# Allegro board 8880F5-0823_9.brd (continued)
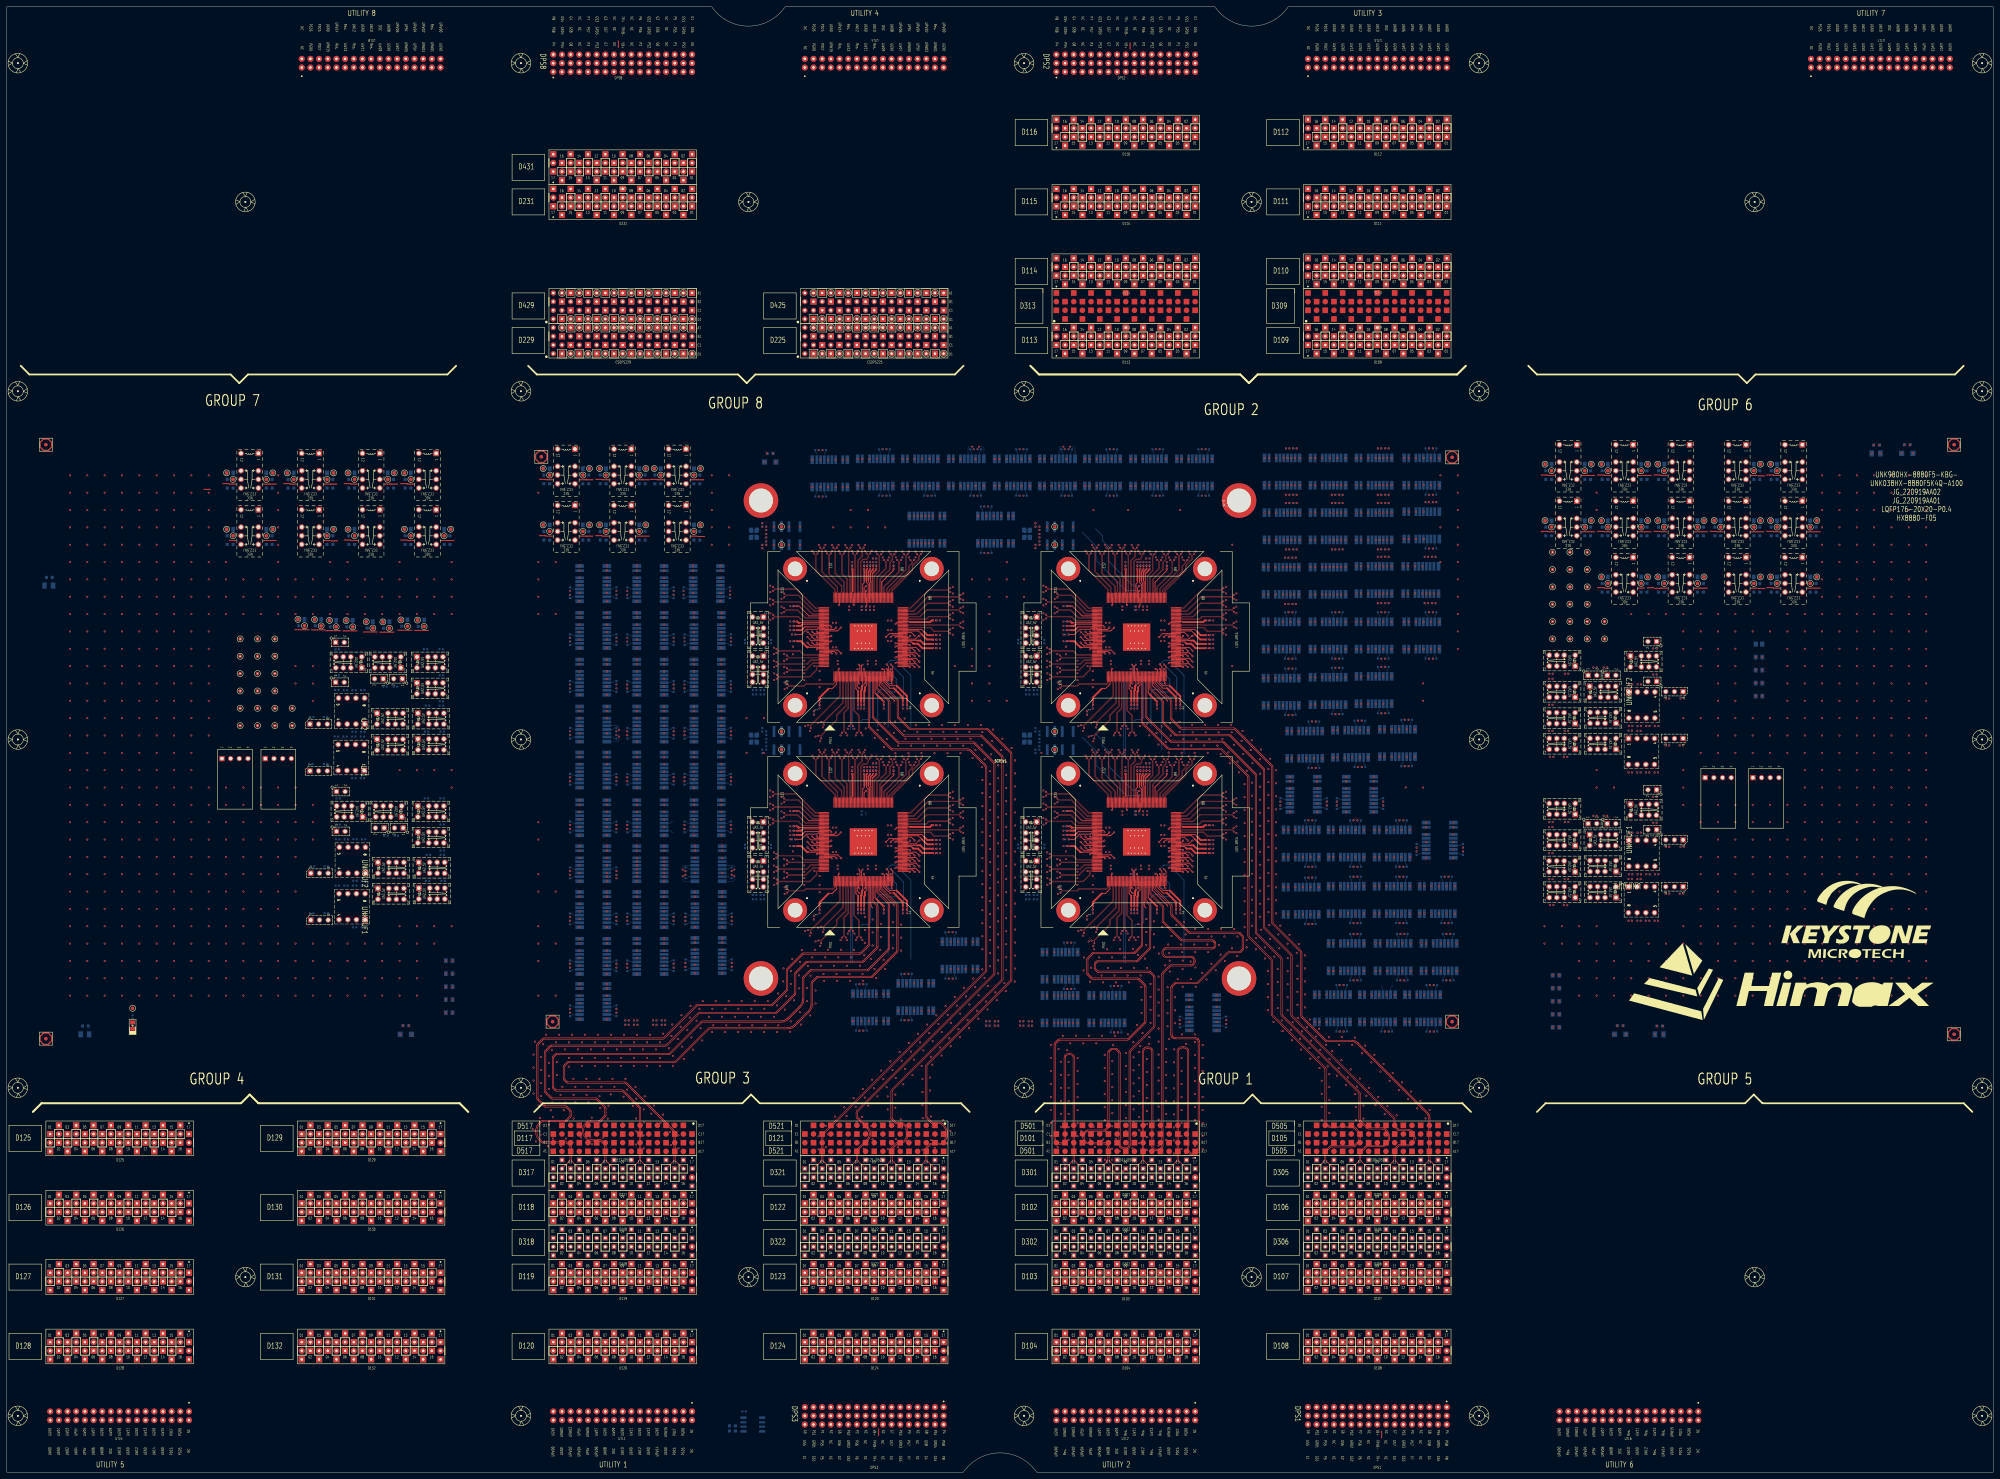
[diagram p0: board, top side]
## Routing (per net, layer and track width the routed paths; a pad name or vN(x,y) marks a point on that pad's centre or on a via; arc(x,y) is an arc through that point) (continued)
D10202: length 833.7
  TOP w0.086: SITE4.142 317.68,189.63 317.6,189.55 313.04,189.55 311.83,190.76 304.76,190.76 v1(304.31,191.21)
  L05_SIGNAL w0.071: D102.02 311.98,80.84 311.98,81.95 311.69,82.24 303.65,82.24 301.8,84.08 301.8,89.53 306.82,94.55 321.96,94.55 324.41,97.01 330.15,97.01 332.23,99.09 336.1,99.09 336.75,98.44 340.23,98.44 342.92,101.12 367.62,101.12 370.61,104.11 392.79,104.11 394.3,102.6 446.3,102.6 457.23,91.67 457.23,77.94 458.59,76.58 485.1,76.58 486.05,77.53 486.05,78.69 485.24,79.5 458.95,79.5 458.33,80.12 458.33,81.5 458.92,82.09 525.41,82.09 526.45,83.13 526.45,84.37 525.34,85.49 460.38,85.49 459.45,86.41 459.45,88.43 460.1,89.08 523.16,89.08 523.89,89.81 523.89,90.83 523.07,91.65 499.54,91.65 498.62,92.56 498.62,93.9 499.5,94.77 520.17,94.77 521.47,96.07 521.47,98.59 514.59,105.47 419.51,105.47 418.77,104.73 409.13,104.73 407.83,106.03 387.07,106.03 379.07,114.04 351.15,114.04 345.88,119.3 333.73,119.3 326.64,126.4 320.25,126.4 312.19,134.45 308.09,134.45 305.48,137.07 305.48,139.52 306.53,140.58 310.77,140.58 311.01,140.81 311.01,141.07 v1(310.53,141.54)
  L32_SIGNAL w0.071: v1(310.53,141.54) 311.01,142.01 311.01,143.05 305.85,148.21 305.85,152.6 302.67,155.78 302.67,190.15 303.26,190.74 303.83,190.74 v1(304.31,191.21)
D10204: length 833.7
  TOP w0.086: SITE4.143 317.68,189.23 317.6,189.31 312.94,189.31 311.73,190.52 304.76,190.52 v1(304.31,190.07)
  L05_SIGNAL w0.071: D102.04 313.31,80.39 313.24,80.39 312.18,81.45 312.18,82.03 311.78,82.43 303.73,82.43 301.99,84.17 301.99,89.45 306.9,94.36 322.04,94.36 324.5,96.81 330.24,96.81 332.31,98.89 336.01,98.89 336.66,98.24 340.32,98.24 343,100.92 367.71,100.92 370.69,103.91 392.7,103.91 394.22,102.4 446.22,102.4 457.03,91.58 457.03,77.86 458.51,76.38 485.18,76.38 486.25,77.45 486.25,78.77 485.32,79.7 459.04,79.7 458.53,80.21 458.53,81.42 459,81.89 525.49,81.89 526.65,83.05 526.65,84.46 525.42,85.68 460.46,85.68 459.65,86.49 459.65,88.35 460.18,88.88 523.24,88.88 524.09,89.73 524.09,90.91 523.15,91.85 499.62,91.85 498.82,92.64 498.82,93.81 499.58,94.57 520.25,94.57 521.67,95.99 521.67,98.67 514.67,105.66 419.43,105.66 418.69,104.93 409.21,104.93 407.91,106.23 387.16,106.23 379.15,114.23 351.23,114.23 345.97,119.5 333.82,119.5 326.73,126.59 320.33,126.59 312.28,134.65 308.17,134.65 305.67,137.15 305.67,139.44 306.61,140.38 310.85,140.38 311.21,140.73 311.21,141.07 v1(311.68,141.54)
  L32_SIGNAL w0.071: v1(304.31,190.07) 303.83,190.54 303.35,190.54 302.87,190.06 302.87,155.86 306.05,152.68 306.05,148.29 311.21,143.13 311.21,142.01 v1(311.68,141.54)
D10206: length 833.7
  TOP w0.086: v1(307.6,193.14) 308.04,192.7 311.52,192.7 313.87,190.35 317.6,190.35 317.68,190.43 SITE4.140
  L05_SIGNAL w0.071: D102.06 322.15,80.85 322.15,82.76 322.08,82.83 305.56,82.83 303.55,84.84 303.55,88.42 308.33,93.2 335.4,93.2 336.98,94.78 342.52,94.78 343.82,93.48 362.54,93.48 370.8,101.73 442.87,101.73 454.79,89.82 454.79,73.52 458.61,69.71 527.16,69.71 527.89,70.43 527.89,71.06 527.47,71.47 458.9,71.47 457.97,72.39 457.97,73.52 458.61,74.17 527.67,74.17 528.43,74.93 528.43,75.85 527.76,76.53 488.34,76.53 487.43,77.44 487.43,79.1 488.18,79.86 527.12,79.86 527.9,80.64 527.9,95.57 515.99,107.48 418.27,107.48 412.34,113.41 396.57,113.41 392.67,117.31 361.59,117.31 349.75,129.15 349.75,144.04 344.74,149.05 314.68,149.05 312.46,151.27 312.46,152.45 311.01,153.91 311.01,154.66 v1(310.53,155.13)
  L32_SIGNAL w0.071: v1(307.6,193.14) 307.13,192.67 306.36,192.67 305.06,191.37 305.06,184.47 303.64,183.05 303.64,164.86 311.01,157.49 311.01,155.6 v1(310.53,155.13)
D10208: length 833.7
  TOP w0.086: SITE4.141 317.68,190.03 317.6,190.11 313.78,190.11 311.43,192.46 308.06,192.46 v1(307.6,192)
  L05_SIGNAL w0.071: v1(311.68,155.13) 311.21,154.66 311.21,153.99 312.66,152.54 312.66,151.36 314.77,149.25 344.82,149.25 349.95,144.13 349.95,129.24 361.68,117.51 392.75,117.51 396.65,113.61 412.42,113.61 418.35,107.68 516.07,107.68 528.1,95.65 528.1,80.55 527.2,79.66 488.26,79.66 487.63,79.02 487.63,77.52 488.42,76.73 527.84,76.73 528.63,75.94 528.63,74.85 527.75,73.97 458.7,73.97 458.17,73.44 458.17,72.48 458.98,71.67 527.56,71.67 528.08,71.14 528.08,70.35 527.24,69.51 458.52,69.51 454.59,73.44 454.59,89.73 442.79,101.53 370.88,101.53 362.63,93.28 343.74,93.28 342.44,94.58 337.06,94.58 335.48,93 308.41,93 303.75,88.33 303.75,84.92 305.64,83.02 322.16,83.02 322.35,82.84 322.35,81.43 323.26,80.52 323.34,80.52 D102.08
  L32_SIGNAL w0.071: v1(307.6,192) 307.13,192.47 306.44,192.47 305.26,191.28 305.26,184.38 303.83,182.96 303.83,164.94 311.21,157.57 311.21,155.6 v1(311.68,155.13)
D10210: length 833.7
  TOP w0.086: v1(359.29,195.88) 358.81,196.36 349.82,196.36 345.58,192.11 344.06,192.11 343.98,192.03 SITE4.85
  L07_SIGNAL w0.071: D102.10 333.01,81.55 333.01,82.39 333.63,83 348.3,83 353.41,77.89 353.41,44.03 348.57,39.18 290.03,39.18 288.71,37.86 288.71,24.52 291.38,21.85 420.88,21.85 421.57,22.54 421.57,23.4 421.01,23.96 307.17,23.96 306.57,24.56 306.57,25.24 307.12,25.79 351.29,25.79 359.02,33.52 359.02,102.27 346.48,114.82 338.29,114.82 324.72,128.39 324.72,128.77 324.65,128.84 v1(324.25,128.84)
  L30_SIGNAL w0.071: v1(324.25,128.84) 324.72,129.31 324.72,130.02 325.59,130.88 327.71,130.88 337.17,121.42 342.01,121.42 343.71,119.71 394.81,119.71 395.8,118.72 415.6,118.72 429.44,132.56 429.44,190.56 427.07,192.93 412.66,192.93 409.24,189.5 380.1,189.5 377.66,191.95 370.78,191.95 366.37,196.35 359.76,196.35 v1(359.29,195.88)
D10212: length 833.7
  TOP w0.086: v1(359.29,197.02) 358.87,196.6 349.73,196.6 345.48,192.35 344.06,192.35 343.98,192.43 SITE4.86
  L07_SIGNAL w0.071: D102.12 333.21,80.81 333.21,82.3 333.71,82.8 348.22,82.8 353.21,77.81 353.21,44.11 348.48,39.38 289.95,39.38 288.51,37.95 288.51,24.44 291.3,21.65 420.97,21.65 421.77,22.45 421.77,23.48 421.09,24.16 307.25,24.16 306.77,24.64 306.77,25.16 307.2,25.6 351.38,25.6 359.22,33.44 359.22,102.36 346.56,115.01 338.38,115.01 324.92,128.47 324.92,128.77 324.99,128.84 v1(325.39,128.84)
  L30_SIGNAL w0.071: v1(325.39,128.84) 324.92,129.31 324.92,129.94 325.67,130.68 327.63,130.68 337.09,121.22 341.92,121.22 343.63,119.51 394.73,119.51 395.72,118.53 415.68,118.53 429.64,132.48 429.64,190.64 427.15,193.13 412.58,193.13 409.15,189.7 380.19,189.7 377.74,192.15 370.86,192.15 366.46,196.55 359.76,196.55 v1(359.29,197.02)
D10213: length 833.7
  TOP w0.086: SITE4.116 328.63,197.78 328.55,197.86 328.55,208.77 v1(328.93,209.15)
  L07_SIGNAL w0.071: v1(381.15,190.94) 381.62,191.42 381.62,191.82 381.24,192.2 379.62,192.2 378.62,191.2 378.62,156.09 370.3,147.77 370.3,134.68 368.83,133.21 368.83,57.25 377.03,49.04 423.17,49.04 424.4,47.82 424.4,12.66 422.82,11.08 311.74,11.08 311.06,10.41 311.06,9.47 311.6,8.93 420.4,8.93 421.06,8.27 421.06,7.37 419.93,6.24 305.92,6.24 300.8,11.36 286.12,11.36 284.32,13.16 284.32,42.9 286.47,45.05 349.11,45.05 351.28,47.22 351.28,68.07 347.42,71.92 340.9,71.92 340.48,72.34 340.48,74.47 339.98,74.97 339.05,74.97 D102.13
  L30_SIGNAL w0.071: v1(328.93,209.15) 328.46,209.62 328.46,212.66 330.34,214.54 343.09,214.54 344.13,213.51 358.11,213.51 359.65,215.06 374.52,215.06 379.48,210.1 379.48,201.55 381.62,199.41 381.62,191.02 381.55,190.94 v1(381.15,190.94)
D10214: length 833.7
  TOP w0.086: v1(356.24,193.95) 355.8,194.39 349.61,194.39 346.53,191.31 344.06,191.31 343.98,191.23 SITE4.83
  L07_SIGNAL w0.071: D102.14 342.04,80.42 342.04,81.52 342.96,82.44 347.44,82.44 352.65,77.24 352.65,45.75 349.55,42.65 288.17,42.65 286.18,40.66 286.18,22.74 288.45,20.47 299.96,20.47 307.66,12.78 422.1,12.78 422.73,13.4 422.73,14.44 421.97,15.19 385.45,15.19 384.88,15.76 384.88,17.22 385.49,17.84 422.04,17.84 422.73,18.52 422.73,44.33 419.96,47.09 368.83,47.09 360.59,55.33 360.59,112.32 350,122.92 341.67,122.92 325.98,138.61 325.98,140.05 324.72,141.31 324.72,141.96 v1(324.25,142.43)
  L30_SIGNAL w0.071: v1(324.25,142.43) 324.72,141.96 324.72,140.98 325.53,140.17 328.46,140.17 331.92,143.64 344.44,143.64 347.85,140.23 347.85,130.22 352.85,125.22 384.09,125.22 385.18,124.13 396.88,124.13 397.94,123.07 416.57,123.07 428.52,135.03 428.52,189.59 426.43,191.68 412.67,191.68 410.09,189.1 379.69,189.1 377.34,191.45 370.55,191.45 366.32,195.68 362.8,195.68 361.81,194.69 359.32,194.69 357.4,196.62 355.4,196.62 354.77,195.98 354.77,194.95 355.29,194.42 355.77,194.42 v1(356.24,193.95)
D10215: length 833.7
  TOP w0.086: v1(327.79,209.15) 328.31,208.63 328.31,197.86 328.23,197.78 SITE4.117
  L07_SIGNAL w0.071: D102.15 340.68,73.98 340.68,72.42 340.98,72.12 347.51,72.12 351.48,68.15 351.48,47.13 349.2,44.85 286.55,44.85 284.52,42.81 284.52,13.25 286.2,11.56 300.88,11.56 306,6.44 419.85,6.44 420.86,7.45 420.86,8.19 420.32,8.74 311.52,8.74 310.87,9.39 310.87,10.5 311.65,11.28 422.74,11.28 424.2,12.74 424.2,47.74 423.09,48.84 376.95,48.84 368.63,57.17 368.63,133.29 370.1,134.76 370.1,147.85 378.42,156.17 378.42,191.29 379.54,192.4 381.32,192.4 381.82,191.9 381.82,191.42 v1(382.29,190.94)
  L30_SIGNAL w0.071: v1(327.79,209.15) 328.26,209.62 328.26,212.75 330.26,214.74 343.18,214.74 344.21,213.71 358.02,213.71 359.57,215.25 374.61,215.25 379.68,210.18 379.68,201.63 381.82,199.49 381.82,191.02 381.89,190.94 v1(382.29,190.94)
D10216: length 833.7
  TOP w0.086: SITE4.84 343.98,191.63 344.06,191.55 346.43,191.55 349.51,194.63 355.78,194.63 v1(356.24,195.09)
  L07_SIGNAL w0.071: v1(325.39,142.43) 324.92,141.96 324.92,141.39 326.18,140.13 326.18,138.69 341.76,123.11 350.08,123.11 360.79,112.4 360.79,55.41 368.91,47.29 420.04,47.29 422.92,44.41 422.92,18.44 422.12,17.64 385.57,17.64 385.08,17.14 385.08,15.85 385.53,15.39 422.05,15.39 422.92,14.52 422.92,13.32 422.18,12.58 307.57,12.58 299.88,20.27 288.36,20.27 285.98,22.66 285.98,40.74 288.09,42.85 349.46,42.85 352.45,45.83 352.45,77.15 347.36,82.25 343.05,82.25 342.24,81.44 342.24,80.22 342.65,79.8 344.38,79.8 D102.16
  L30_SIGNAL w0.071: v1(356.24,195.09) 355.77,194.62 355.38,194.62 354.97,195.03 354.97,195.9 355.48,196.42 357.31,196.42 359.24,194.49 361.9,194.49 362.88,195.48 366.24,195.48 370.47,191.25 377.26,191.25 379.61,188.9 410.17,188.9 412.75,191.49 426.35,191.49 428.32,189.51 428.32,135.11 416.49,123.27 398.02,123.27 396.96,124.33 385.27,124.33 384.17,125.42 352.93,125.42 348.05,130.31 348.05,140.31 344.52,143.84 331.84,143.84 328.37,140.37 325.61,140.37 324.92,141.06 324.92,141.96 v1(325.39,142.43)
D10301: length 833.7
  TOP w0.086: v1(341.86,207.21) 341.41,206.77 341.41,203.74 336.95,199.28 336.95,197.86 337.03,197.78 SITE4.95
  L05_SIGNAL w0.071: v1(394.35,157.67) 394.83,158.14 394.83,159.41 395.47,160.06 397.42,160.06 398.66,158.82 398.66,147.25 405.2,140.71 405.2,131.06 412.36,123.89 429.78,123.89 457.45,151.56 522.26,151.56 548.08,125.75 548.08,45.97 539.58,37.48 459.94,37.48 436.62,60.79 436.62,83.61 424.8,95.44 378.22,95.44 359.3,76.52 359.3,50.96 352.32,43.97 315.18,43.97 309.46,49.69 309.46,53.76 D103.01
  L32_SIGNAL w0.071: v1(341.86,207.21) 341.38,207.69 341.38,213.27 345.79,217.68 372.38,217.68 374.24,215.82 417.29,215.82 430.69,202.43 430.69,148.86 424.94,143.11 420.96,143.11 419.04,145.03 419.04,152.01 417.59,153.45 400.44,153.45 398.7,155.2 398.7,158.31 396.91,160.09 395.84,160.09 394.83,159.08 394.83,158.14 v1(394.35,157.67)
D10303: length 833.7
  TOP w0.086: v1(340.71,207.21) 341.17,206.75 341.17,203.84 336.71,199.38 336.71,197.86 336.63,197.78 SITE4.96
  L05_SIGNAL w0.071: v1(395.5,157.67) 395.03,158.14 395.03,159.33 395.55,159.86 397.34,159.86 398.46,158.74 398.46,147.17 405,140.63 405,130.97 412.28,123.7 429.86,123.7 457.53,151.37 522.18,151.37 547.88,125.67 547.88,46.06 539.5,37.67 460.02,37.67 436.82,60.87 436.82,83.7 424.88,95.64 378.14,95.64 359.11,76.61 359.11,51.04 352.24,44.17 315.26,44.17 309.66,49.77 309.66,53.79 310.66,54.79 311.33,54.79 D103.03
  L32_SIGNAL w0.071: v1(395.5,157.67) 395.02,158.14 395.02,159 395.92,159.9 396.83,159.9 398.5,158.23 398.5,155.12 400.36,153.26 417.51,153.26 418.84,151.93 418.84,144.95 420.87,142.91 425.02,142.91 430.88,148.78 430.88,202.51 417.37,216.02 374.32,216.02 372.46,217.88 345.71,217.88 341.19,213.36 341.19,207.69 v1(340.71,207.21)
D10305: length 833.7
  TOP w0.086: v1(339.93,208.93) 339.46,208.47 339.46,207.3 338.7,206.53 338.7,204.43 335.75,201.48 335.75,197.86 335.83,197.78 SITE4.98
  L05_SIGNAL w0.071: D103.05 319.16,54.22 319.82,54.22 320.26,53.78 320.26,47.79 321.89,46.16 349.75,46.16 355.25,51.66 355.25,75.86 376.62,97.23 430.32,97.23 443.81,83.74 443.81,61.27 463.47,41.61 540.64,41.61 542.1,43.07 542.1,45.94 541.23,46.81 531.5,46.81 530.41,47.9 530.41,49.69 531.43,50.71 541.47,50.71 542.41,51.65 542.41,127.01 521.76,147.65 457.57,147.65 431.03,121.11 405.11,121.11 392.75,133.47 392.75,144.96 393.65,145.87 394.33,145.87 394.83,145.37 394.83,144.55 v1(394.35,144.08)
  L32_SIGNAL w0.071: v1(339.93,208.93) 339.45,209.4 339.45,212.46 338.49,213.43 338.49,216.25 340.43,218.19 419,218.19 433.21,203.98 433.21,145.78 425.99,138.56 401.79,138.56 400.81,139.53 400.81,145.75 398.21,148.36 397.41,148.36 394.83,145.77 394.83,144.55 v1(394.35,144.08)
D10307: length 833.7
  TOP w0.086: SITE4.99 335.43,197.78 335.51,197.86 335.51,201.58 338.46,204.53 338.46,206.63 339.22,207.4 339.22,208.49 v1(338.78,208.93)
  L05_SIGNAL w0.071: D103.07 320.46,53.76 320.46,47.87 321.97,46.36 349.67,46.36 355.05,51.75 355.05,75.95 376.53,97.43 430.41,97.43 444.01,83.83 444.01,61.35 463.56,41.81 540.55,41.81 541.9,43.15 541.9,45.86 541.15,46.61 531.42,46.61 530.21,47.81 530.21,49.77 531.35,50.91 541.39,50.91 542.21,51.73 542.21,126.92 521.68,147.45 457.66,147.45 431.11,120.91 405.03,120.91 392.55,133.39 392.55,145.04 393.57,146.07 394.41,146.07 395.03,145.45 395.03,144.55 v1(395.5,144.08)
  L32_SIGNAL w0.071: v1(338.78,208.93) 339.26,209.4 339.26,212.38 338.29,213.35 338.29,216.33 340.35,218.39 419.09,218.39 433.41,204.06 433.41,145.7 426.07,138.36 401.7,138.36 400.62,139.45 400.62,145.67 398.12,148.16 397.49,148.16 395.02,145.69 395.02,144.55 v1(395.5,144.08)
D10309: length 833.7
  TOP w0.086: SITE4.133 317.68,193.23 317.6,193.15 316.94,193.15 311.22,198.87 304.75,198.87 v1(304.31,199.31)
  L05_SIGNAL w0.071: v1(390.29,129.1) 390.76,129.57 390.76,130.66 390.3,131.13 389.82,131.13 389.28,130.59 389.28,123.9 391.9,121.28 403.4,121.28 406.84,117.84 433.84,117.84 452.38,136.39 517.69,136.39 533.35,120.72 533.35,56.18 529.42,52.25 467.65,52.25 467.06,51.65 467.06,49.83 467.97,48.92 525.69,48.92 527.03,47.58 527.03,45.52 525.33,43.82 465.55,43.82 448.41,60.96 448.41,86.38 436.22,98.57 374.29,98.57 353.33,77.6 353.33,53.55 347.99,48.22 331.11,48.22 330.14,49.19 330.14,53.4 D103.09
  L32_SIGNAL w0.071: v1(390.29,129.1) 390.76,129.57 390.76,130.53 390.17,131.12 388.18,131.12 387.21,130.15 387.21,128.92 383.29,125 373.6,125 368.29,130.3 348.81,130.3 345.65,133.46 342.24,133.46 340.56,131.78 336.9,131.78 335.6,133.08 330.44,133.08 328,130.64 306.35,130.64 305.4,131.6 305.4,132.87 300.03,138.24 300.03,196.6 302.27,198.84 303.83,198.84 v1(304.31,199.31)
D10310: length 833.7
  TOP w0.086: v1(327.07,210.87) 326.61,210.41 326.61,202.62 326.95,202.28 326.95,197.86 327.03,197.78 SITE4.120
  L07_SIGNAL w0.071: v1(381.15,177.36) 381.62,176.88 381.62,175.99 387.69,169.92 387.69,145.99 381.13,139.42 381.13,133.8 379.95,132.62 379.95,124.34 387.12,117.17 396.39,117.17 397.8,115.77 409.59,115.77 424.2,101.16 473.57,101.16 476.76,97.97 476.76,75.87 472.73,71.85 439.82,71.85 437.33,74.33 437.33,89.88 429.04,98.18 377.29,98.18 369.52,90.41 369.52,58.42 376.33,51.61 422.73,51.61 425.7,48.64 425.7,10.88 419.85,5.02 304.42,5.02 298.87,10.57 283.7,10.57 281.57,12.7 281.57,43.02 285.98,47.43 349.41,47.43 350.43,48.45 350.43,62.06 349.77,62.72 333.63,62.72 333.05,62.14 333.05,60.74 332.59,60.29 332.07,60.29 D103.10
  L30_SIGNAL w0.071: v1(381.15,177.36) 381.62,176.88 381.62,175.67 380.87,174.92 373.86,174.92 371.84,176.94 353.3,176.94 348.43,181.8 346.06,181.8 342.91,184.95 342.91,189.2 340.99,191.13 337.77,191.13 326.6,202.3 326.6,210.4 v1(327.07,210.87)
D10311: length 833.7
  TOP w0.086: v1(304.31,198.17) 304.77,198.63 311.12,198.63 316.84,192.91 317.6,192.91 317.68,192.83 SITE4.134
  L05_SIGNAL w0.071: D103.11 331.76,54.9 331.14,54.9 330.34,54.1 330.34,49.27 331.19,48.42 347.91,48.42 353.13,53.64 353.13,77.68 374.21,98.77 436.31,98.77 448.61,86.47 448.61,61.04 465.63,44.02 525.25,44.02 526.83,45.6 526.83,47.49 525.61,48.72 467.88,48.72 466.86,49.74 466.86,51.74 467.57,52.45 529.33,52.45 533.15,56.27 533.15,120.64 517.61,136.19 452.46,136.19 433.92,117.65 406.75,117.65 403.31,121.09 391.81,121.09 389.09,123.81 389.09,130.67 389.74,131.33 390.38,131.33 390.96,130.74 390.96,129.57 v1(391.43,129.1)
  L32_SIGNAL w0.071: v1(391.43,129.1) 390.96,129.57 390.96,130.61 390.25,131.32 388.1,131.32 387.01,130.24 387.01,129.01 383.21,125.2 373.68,125.2 368.38,130.5 348.89,130.5 345.73,133.66 342.16,133.66 340.47,131.98 336.99,131.98 335.69,133.27 330.35,133.27 327.92,130.84 306.44,130.84 305.6,131.68 305.6,132.96 300.23,138.32 300.23,196.52 302.36,198.64 303.83,198.64 v1(304.31,198.17)
D10312: length 833.7
  TOP w0.086: SITE4.121 326.63,197.78 326.71,197.86 326.71,202.19 326.38,202.52 326.38,210.42 v1(325.93,210.87)
  L07_SIGNAL w0.071: D103.12 333.25,60.45 333.25,62.05 333.72,62.52 349.69,62.52 350.23,61.98 350.23,48.53 349.32,47.63 285.9,47.63 281.37,43.1 281.37,12.62 283.62,10.37 298.79,10.37 304.33,4.83 419.93,4.83 425.9,10.79 425.9,48.72 422.81,51.81 376.41,51.81 369.72,58.5 369.72,90.33 377.37,97.98 428.96,97.98 437.14,89.8 437.14,74.25 439.73,71.65 472.81,71.65 476.96,75.79 476.96,98.05 473.65,101.36 424.28,101.36 409.68,115.96 397.88,115.96 396.47,117.37 387.2,117.37 380.15,124.43 380.15,132.54 381.33,133.72 381.33,139.34 387.89,145.91 387.89,170 381.82,176.07 381.82,176.88 v1(382.29,177.36)
  L30_SIGNAL w0.071: v1(382.29,177.36) 381.82,176.88 381.82,175.58 380.96,174.72 373.78,174.72 371.76,176.74 353.21,176.74 348.35,181.6 345.98,181.6 342.72,184.87 342.72,189.12 340.91,190.93 337.69,190.93 326.4,202.22 326.4,210.4 v1(325.93,210.87)
D10313: length 833.7
  TOP w0.086: v1(317.43,209.15) 316.97,208.69 316.97,204.24 322.55,198.66 322.55,197.86 322.63,197.78 SITE4.131
  L05_SIGNAL w0.071: v1(390.29,142.68) 390.76,143.16 390.76,144.33 390.17,144.91 388.9,144.91 385.56,141.57 385.56,121.13 386.88,119.81 393.85,119.81 397.71,115.95 412.33,115.95 419.25,109.03 517.25,109.03 530.44,95.84 530.44,69.55 528.69,67.8 465.22,67.8 464.07,66.65 464.07,65.41 465.19,64.29 530.37,64.29 531.28,63.38 531.28,62.15 530.48,61.34 462.04,61.34 451.86,71.52 451.86,88.52 440.34,100.04 372.37,100.04 350.56,78.22 350.56,53.83 346.25,49.52 341.46,49.52 340.83,50.15 340.83,53.18 339.29,54.73 338.97,54.73 D103.13
  L32_SIGNAL w0.071: v1(390.29,142.68) 390.76,142.21 390.76,140.95 392.28,139.44 392.28,123.94 391.17,122.83 351.58,122.83 349.47,124.93 340.91,124.93 336.17,129.67 304.15,129.67 296.71,137.11 296.71,197.59 308.81,209.69 313.28,209.69 315.5,207.47 316.62,207.47 316.95,207.81 316.95,208.68 v1(317.43,209.15)
D10314: length 833.7
  TOP w0.086: v1(325.14,209.15) 324.69,208.7 324.69,203.17 326.15,201.71 326.15,197.86 326.23,197.78 SITE4.122
  L07_SIGNAL w0.071: v1(394.35,174.43) 394.83,173.96 394.83,172.79 389.38,167.34 389.38,124.84 395.5,118.72 410.73,118.72 426.74,102.71 474.2,102.71 478.65,98.26 478.65,75.52 473.1,69.96 438.64,69.96 435.52,73.08 435.52,87.26 425.86,96.93 377.94,96.93 371.1,90.09 371.1,61.59 378.06,54.62 422.88,54.62 427.35,50.16 427.35,9.71 421.46,3.82 303.54,3.82 298.2,9.16 282.12,9.16 279.91,11.36 279.91,43.36 285.56,49 346.22,49 349.27,52.05 349.27,60.1 347.17,62.19 343.55,62.19 343.13,61.77 343.13,60.54 341.9,59.31 341.25,59.31 D103.14
  L30_SIGNAL w0.071: v1(325.14,209.15) 324.67,208.68 324.67,196.15 326.01,194.81 326.01,176.77 329.58,173.19 394.39,173.19 394.83,173.63 394.83,173.96 v1(394.35,174.43)
D10315: length 833.7
  TOP w0.086: SITE4.132 322.23,197.78 322.31,197.86 322.31,198.56 316.73,204.14 316.73,208.71 v1(316.28,209.15)
  L05_SIGNAL w0.071: D103.15 341.03,54.01 341.03,50.23 341.55,49.72 346.17,49.72 350.36,53.91 350.36,78.31 372.29,100.24 440.42,100.24 452.05,88.6 452.05,71.61 462.12,61.54 530.39,61.54 531.09,62.23 531.09,63.3 530.29,64.09 465.1,64.09 463.87,65.33 463.87,66.73 465.14,68 528.61,68 530.24,69.64 530.24,95.76 517.17,108.83 419.17,108.83 412.25,115.75 397.63,115.75 393.76,119.61 386.79,119.61 385.36,121.05 385.36,141.66 388.82,145.11 390.26,145.11 390.96,144.41 390.96,143.16 v1(391.43,142.68)
  L32_SIGNAL w0.071: v1(316.28,209.15) 316.75,208.68 316.75,207.89 316.53,207.67 315.58,207.67 313.36,209.89 308.73,209.89 296.51,197.67 296.51,137.03 304.07,129.47 336.09,129.47 340.82,124.74 349.39,124.74 351.5,122.63 391.25,122.63 392.48,123.86 392.48,139.52 390.96,141.04 390.96,142.21 v1(391.43,142.68)
D10316: length 833.7
  TOP w0.086: SITE4.123 325.83,197.78 325.91,197.86 325.91,201.61 324.46,203.07 324.46,208.69 v1(324,209.15)
  L07_SIGNAL w0.071: v1(395.5,174.43) 395.03,173.96 395.03,172.71 389.58,167.26 389.58,124.92 395.58,118.92 410.81,118.92 426.83,102.91 474.28,102.91 478.85,98.34 478.85,75.43 473.18,69.76 438.56,69.76 435.33,72.99 435.33,87.18 425.77,96.73 378.02,96.73 371.29,90.01 371.29,61.67 378.14,54.82 422.97,54.82 427.55,50.24 427.55,9.63 421.54,3.62 303.45,3.62 298.12,8.96 282.03,8.96 279.72,11.28 279.72,43.44 285.47,49.2 346.13,49.2 349.07,52.14 349.07,60.02 347.09,62 343.63,62 343.33,61.69 343.33,60.53 D103.16
  L30_SIGNAL w0.071: v1(324,209.15) 324.47,208.68 324.47,196.07 325.82,194.73 325.82,176.68 329.5,173 394.47,173 395.02,173.55 395.02,173.96 v1(395.5,174.43)
D10409: length 413.5
  TOP w0.086: v1(305.39,176.18) 305.85,176.63 314.38,176.63 315.46,177.71 317.6,177.71 317.68,177.63 SITE4.172
  L03_SIGNAL w0.071: D104.09 329.61,33.61 329.61,28.14 324.32,22.85 283.52,22.85 280.97,20.3 280.97,12.23 284.12,9.08 352.84,9.08 359.98,16.23 359.98,112.07 378.99,131.07 378.99,153.22 380.29,154.51 380.29,170.85 381.82,172.37 381.82,173.71 v1(382.29,174.18)
  L28_SIGNAL w0.071: v1(382.29,174.18) 381.82,173.71 381.82,172.79 381.31,172.28 378.13,172.28 377.03,173.38 356.25,173.38 355.47,174.17 323.36,174.17 320.87,176.65 305.87,176.65 v1(305.39,176.18)
D10410: length 457
  TOP w0.086: v1(325.68,156.6) 325.23,157.05 325.23,162.4 326.55,163.72 326.55,171.4 326.63,171.48 SITE4.12
  L03_SIGNAL w0.071: v1(343.47,131.3) 343.94,131.77 345.27,131.77 350.94,126.1 350.94,53.48 343.17,45.7 335.55,45.7 333.66,43.81 333.66,40.79 332.45,39.57 331.67,39.57 D104.10
  L28_SIGNAL w0.071: v1(325.68,156.6) 325.21,156.12 325.21,154.2 318.54,147.52 318.54,142.2 317.73,141.39 317.73,113.34 321.22,109.85 327.4,109.85 330.2,107.05 335.69,107.05 336.28,106.45 338.04,106.45 339.37,107.78 350.11,107.78 352.17,109.85 389.84,109.85 393.78,105.91 409.23,105.91 413.17,109.85 416.36,109.85 417.44,110.93 417.44,112.69 416.9,113.24 396.86,113.24 395.79,112.17 391.11,112.17 389.44,113.84 352.76,113.84 350.72,111.8 343.14,111.8 342.33,110.99 339.36,110.99 337.92,112.43 328.03,112.43 326.93,113.53 326.93,115.75 327.72,116.54 338.03,116.54 340.68,119.19 351.22,119.19 352.67,117.74 366.73,117.74 367.47,118.47 367.47,119.75 366.6,120.62 351.69,120.62 347.05,125.25 347.05,129.55 344.83,131.77 343.94,131.77 v1(343.47,131.3)
D10411: length 413.5
  TOP w0.086: SITE4.171 317.68,178.03 317.6,177.95 315.37,177.95 314.29,176.87 305.85,176.87 v1(305.39,177.32)
  L03_SIGNAL w0.071: v1(381.15,174.18) 381.62,173.71 381.62,172.46 380.09,170.93 380.09,154.6 378.79,153.3 378.79,131.15 359.79,112.15 359.79,16.31 352.75,9.28 284.2,9.28 281.17,12.31 281.17,20.22 283.6,22.65 324.41,22.65 329.81,28.05 329.81,33.59 330.31,34.09 331.27,34.09 D104.11
  L28_SIGNAL w0.071: v1(381.15,174.18) 381.62,173.71 381.62,172.87 381.23,172.48 378.22,172.48 377.11,173.58 356.34,173.58 355.55,174.37 323.44,174.37 320.96,176.85 305.87,176.85 v1(305.39,177.32)
D10412: length 457
  TOP w0.086: v1(324.54,156.6) 324.99,157.05 324.99,162.5 326.31,163.82 326.31,171.4 326.23,171.48 SITE4.11
  L03_SIGNAL w0.071: D104.12 333.86,39.52 333.86,39.62 333.86,43.73 335.64,45.5 343.25,45.5 351.14,53.39 351.14,126.18 345.35,131.97 343.94,131.97 v1(343.47,132.44)
  L28_SIGNAL w0.071: v1(324.54,156.6) 325.01,156.12 325.01,154.28 318.34,147.61 318.34,142.28 317.53,141.47 317.53,113.26 321.14,109.65 327.32,109.65 330.12,106.85 335.61,106.85 336.2,106.26 338.12,106.26 339.45,107.59 350.19,107.59 352.25,109.65 389.76,109.65 393.7,105.71 409.31,105.71 413.25,109.65 416.45,109.65 417.64,110.84 417.64,112.77 416.98,113.43 396.78,113.43 395.71,112.36 391.19,112.36 389.52,114.04 352.67,114.04 350.63,112 343.06,112 342.25,111.19 339.44,111.19 338,112.63 328.11,112.63 327.13,113.61 327.13,115.67 327.8,116.34 338.11,116.34 340.77,118.99 351.14,118.99 352.59,117.54 366.82,117.54 367.67,118.39 367.67,119.84 366.69,120.82 351.77,120.82 347.25,125.34 347.25,129.63 344.91,131.97 343.94,131.97 v1(343.47,132.44)
D10413: length 457
  TOP w0.086: v1(319.21,158.99) 319.21,159.63 324.95,165.37 324.95,171.4 325.03,171.48 SITE4.8
  L03_SIGNAL w0.071: v1(372.94,195.31) 372.46,195.78 371.41,195.78 370.92,195.29 370.92,154.11 370.35,153.54 370.35,149.88 370.92,149.32 370.92,132.96 355.8,117.84 355.8,37.64 347.51,29.35 341.53,29.35 340.18,30.69 340.18,33.2 D104.13
  L28_SIGNAL w0.071: v1(372.94,195.31) 372.46,195.78 365.88,195.78 360.85,200.81 356.39,200.81 352.79,197.21 311.18,197.21 304.17,204.22 304.17,211.73 299.83,216.08 286.04,216.08 285.42,215.46 285.42,214.29 286.19,213.52 300.56,213.52 301.86,212.22 301.86,210.41 300.83,209.38 290.71,209.38 288.21,211.88 286.9,211.88 285.17,210.15 282.3,210.15 278.16,206.01 278.16,179.39 279.63,177.92 279.63,168.48 287.47,160.64 303.65,160.64 304.98,161.97 304.98,165.51 309.32,169.85 315.43,169.85 320.49,164.79 320.49,160.94 319.21,159.66 v1(319.21,158.99)